# Altium PCB EIT_Teensy_PCBMain.PcbDoc (part 1 of 2) (continued)
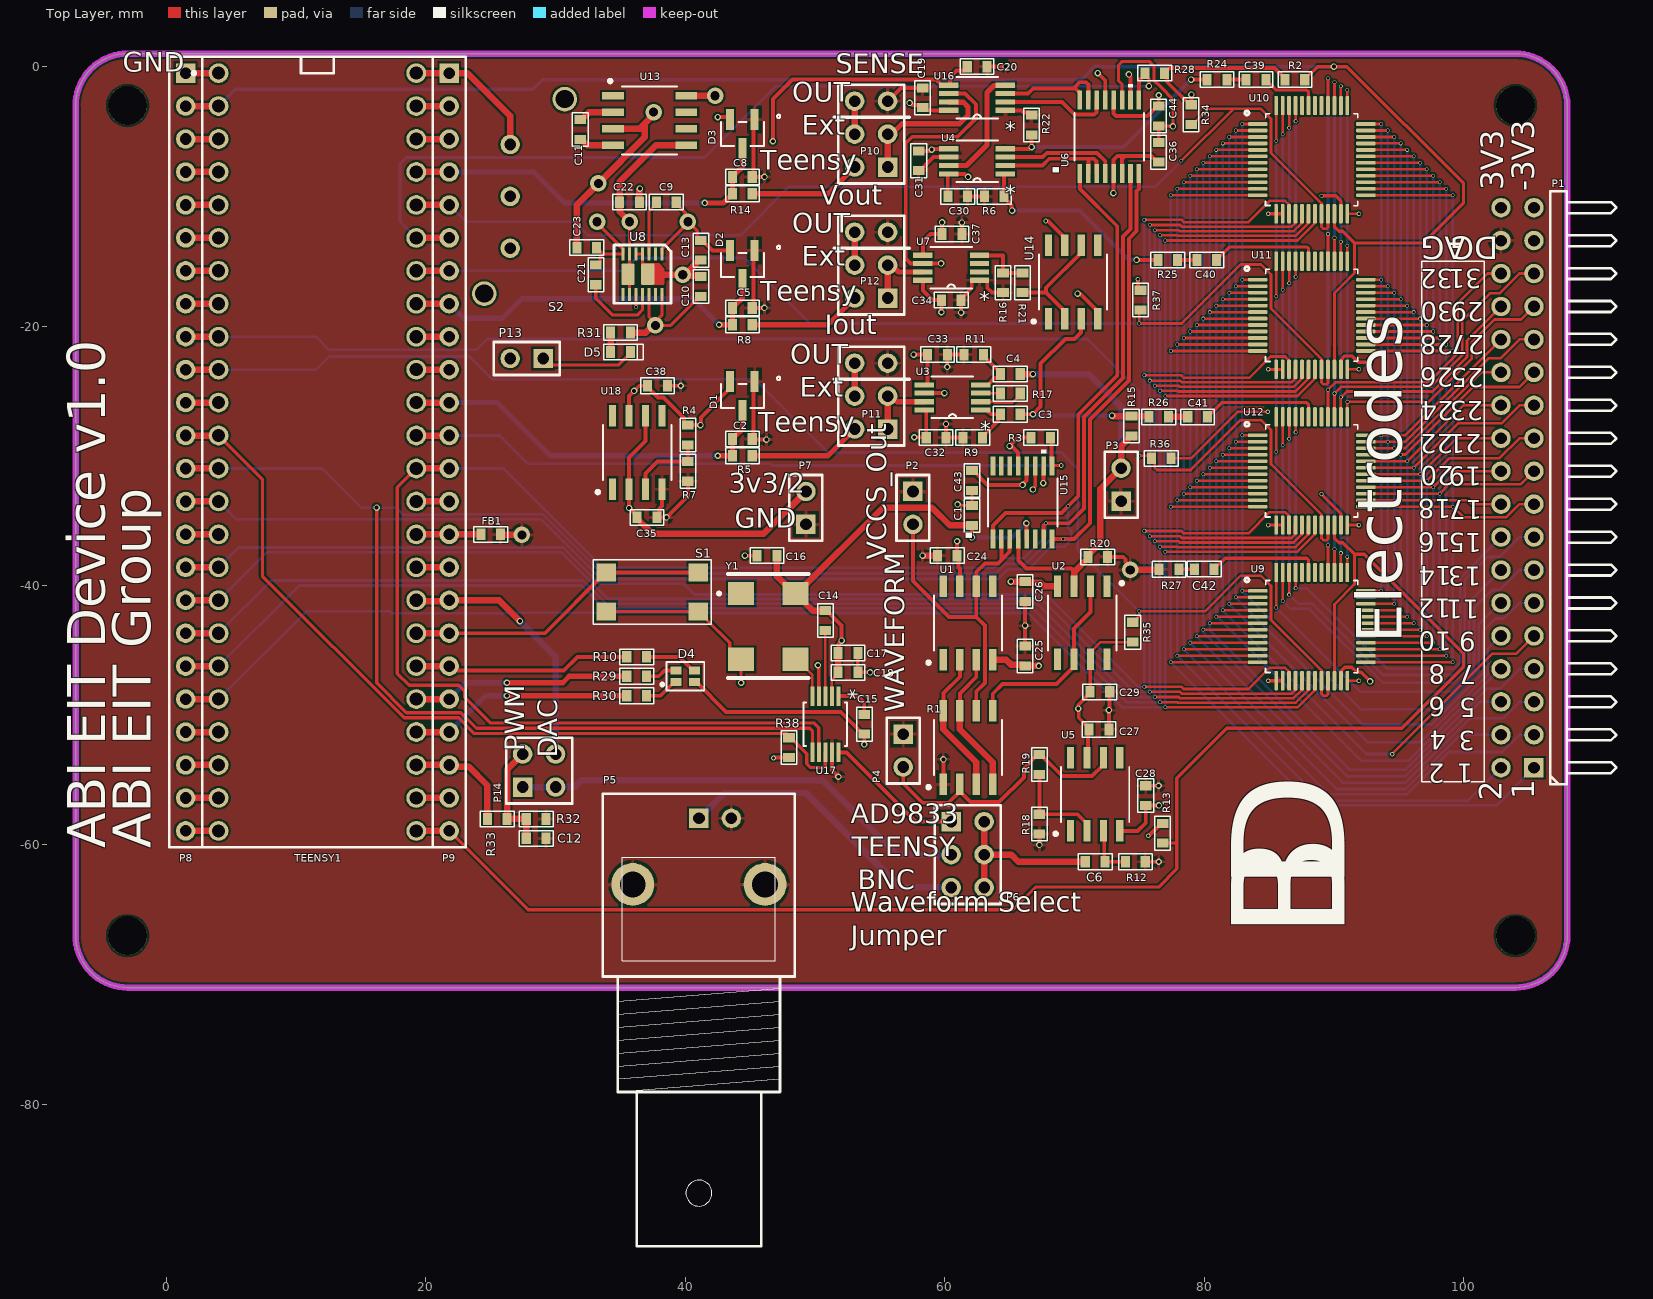
[diagram p0: Top Layer view]
## Part data (continued)
R10 R29 R30 R31: library part "Res 0603 1K 1%", "RES SMD 1K OHM 1% 1/10W 0603", Case Code (Imperial)=0603, Case Code (Metric)=1608, Manufacturer=Yageo, Manufacturer Part Number=RC0603FR-071KL, Max Operating Temperature=155°C, Max Power Dissipation=100mW, Min Operating Temperature=-55°C, Resistance=1kR, Resistance Tolerance=1%, Resistor Type="Thick Film", Supplier Part Number 1=311-1.00KHRCT-ND, Temperature Coefficient=100ppm/°C, Voltage Rating=50V, Case/Package=0603, Category="Chip SMD Resistors", ComponentLink1Description=https://datasheet.ciiva.com/8896/pyu-rc0603-51-rohs-l-4-8896106.pdf?src-supplier=Avnet, ComponentLink1URL=https://datasheet.ciiva.com/8896/pyu-rc0603-51-rohs-l-4-8896106.pdf?src-supplier=Avnet, Construction=Rectangular, Contact Plating=Tin,Matte, Depth=0.8mm, Features="Moisture Resistant", Height=0.45mm, Lead Free="Lead Free", Length=1.6mm, Military Standard=Not, Number of Terminations=2, Packaging="Tape and Reel", Power Rating=100mW, Pricing 1="1=0.10000, 10=0.02400, 100=0.00970, 1000=0.00436, 2500=0.00378 (USD)", Radiation Hardening=No, REACH SVHC="No SVHC", RoHS=Yes, RoHS Compliant=Yes, Series=RC, Size Code=0603, Stock 1=23578085, Supplier 1=Digi-Key, Technology="THICK FILM", Termination=SMD/SMT, Tolerance=1%
R12: library part "Res 0603 9.09K 1%", "Res Thick Film 0603 90.9K Ohm 1% 0.1W(1/10W) ±100ppm/C Epoxy SMD T/R", Case Code (Imperial)=0603, Case Code (Metric)=1608, Manufacturer=Yageo, Manufacturer Part Number=RC0603FR-0790K9L, Max Operating Temperature=155°C, Max Power Dissipation=100mW, Min Operating Temperature=-55°C, Resistance=90.9kR, Resistor Type="Thick Film", Supplier Part Number 1=311-90.9KHRCT-ND, Temperature Coefficient=100ppm/°C, Tolerance=1%, Voltage Rating=75V, Voltage Rating (DC)=50V, Case/Package=0603, Category="Chip SMD Resistors", ComponentLink1Description=https://datasheet.ciiva.com/15189/getdatasheetpartid-325203-15189835.pdf?src-supplier=Verical, ComponentLink1URL=https://datasheet.ciiva.com/15189/getdatasheetpartid-325203-15189835.pdf?src-supplier=Verical, Construction=Rectangular, Depth=0.8mm, Features="Moisture Resistant", Height=0.45mm, Lead Free="Lead Free", Length=1.6mm, Military Standard=Not, Number of Terminations=2, Packaging="Tape and Reel", Power Rating=100mW, Pricing 1="1=0.10000, 10=0.02400, 100=0.00970, 1000=0.00436, 2500=0.00378 (USD)", RoHS=Yes, RoHS Compliant=Yes, Series=RC, Size Code=0603, Stock 1=655755, Supplier 1=Digi-Key, Termination=SMD/SMT, Weight=7.1E-05oz, Width=0.8mm
R15: library part "Res 0603 1K 0.01%", "RES 1K OHM 0.01% 1/10W 0603", Case Code (Imperial)=0603, Case Code (Metric)=1608, Manufacturer="Stackpole Electronics", Manufacturer Part Number=RNCF0603TKY1K00, Max Operating Temperature=155°C, Max Power Dissipation=100mW, Min Operating Temperature=-55°C, Resistance=1kR, Resistor Type="Thin Film", Supplier Part Number 1=RNCF0603TKY1K00CT-ND, Temperature Coefficient=5ppm/°C, Tolerance=0.01%, Case/Package=0603, Category="Chip SMD Resistors", ComponentLink1Description=https://www.seielect.com/catalog/SEI-Packaging.pdf?src-supplier=Digi-Key, ComponentLink1URL=https://www.seielect.com/catalog/SEI-Packaging.pdf?src-supplier=Digi-Key, Features="Moisture Resistant", Height=0.022inch, Lead Free="Lead Free", Length=0.063inch, Mount="Surface Mount", Number of Terminations=2, Packaging="Tape and Reel", Pricing 1="1=1.86000, 10=1.65000, 100=1.26000 (USD)", RoHS=Yes, RoHS Compliant=Yes, Series=RNCF, Stock 1=31380, Supplier 1=Digi-Key, Width=0.031inch
R17: library part "Res 0603 5.49K 1%", "Resistor;Resistance:5K49ohm;Resistance Tolerance:± 1%;Resistor Element Material:Thick Film;Resistor Case Style:0603", Case Code (Imperial)=0603, Case Code (Metric)=1608, Manufacturer=Yageo, Manufacturer Part Number=RC0603FR-075K49L, Max Operating Temperature=155°C, Max Power Dissipation=100mW, Min Operating Temperature=-55°C, Package Quantity=1, Resistance=5.49kR, Resistor Type="Thick Film", Supplier Part Number 1=311-5.49KHRCT-ND, Temperature Coefficient=100ppm/°C, Tolerance=1%, Voltage Rating=50V, Case/Package=0603, Category="Chip SMD Resistors", ComponentLink1Description=https://datasheet.ciiva.com/2454/pyu-r-int-thick-7-2454378.pdf?src-supplier=Digi-Key, ComponentLink1URL=https://datasheet.ciiva.com/2454/pyu-r-int-thick-7-2454378.pdf?src-supplier=Digi-Key, ComponentLink2Description=https://datasheet.ciiva.com/2454/pyu-r-int-thick-7-2454379.pdf?src-supplier=Digi-Key, ComponentLink2URL=https://datasheet.ciiva.com/2454/pyu-r-int-thick-7-2454379.pdf?src-supplier=Digi-Key, ComponentLink3Description=https://datasheet.ciiva.com/2454/pyu-r-int-thick-7-2454380.pdf?src-supplier=Digi-Key, ComponentLink3URL=https://datasheet.ciiva.com/2454/pyu-r-int-thick-7-2454380.pdf?src-supplier=Digi-Key, ComponentLink4Description=https://datasheet.ciiva.com/12558/rc0603-272842-12558872.pdf?src-supplier=Mouser, ComponentLink4URL=https://datasheet.ciiva.com/12558/rc0603-272842-12558872.pdf?src-supplier=Mouser, Construction=Rectangular, Depth=0.8mm, Features="Moisture Resistant", Height=0.022inch, Lead Free="Lead Free", Length=1.6mm, Military Standard=Not, Number of Terminations=2, Packaging="Tape and Reel", Power Rating=100mW, Pricing 1="1=0.10000, 10=0.02400, 100=0.00970, 1000=0.00436, 2500=0.00378 (USD)", RoHS=Yes, RoHS Compliant=Yes, Series=RC, Size Code=0603, Stock 1=713644, Supplier 1=Digi-Key, Termination=SMD/SMT, Voltage Rating (DC)=50V, Width=0.8mm
R19: library part "Res 0603 90.9K 1%", "Res Thick Film 0603 90.9K Ohm 1% 0.1W(1/10W) ±100ppm/C Epoxy SMD T/R", Case Code (Imperial)=0603, Case Code (Metric)=1608, Manufacturer=Yageo, Manufacturer Part Number=RC0603FR-0790K9L, Max Operating Temperature=155°C, Max Power Dissipation=100mW, Min Operating Temperature=-55°C, Resistance=90.9kR, Resistor Type="Thick Film", Supplier Part Number 1=311-90.9KHRCT-ND, Temperature Coefficient=100ppm/°C, Tolerance=1%, Voltage Rating=75V, Voltage Rating (DC)=50V, Case/Package=0603, Category="Chip SMD Resistors", ComponentLink1Description=https://datasheet.ciiva.com/15189/getdatasheetpartid-325203-15189835.pdf?src-supplier=Verical, ComponentLink1URL=https://datasheet.ciiva.com/15189/getdatasheetpartid-325203-15189835.pdf?src-supplier=Verical, Construction=Rectangular, Depth=0.8mm, Features="Moisture Resistant", Height=0.45mm, Lead Free="Lead Free", Length=1.6mm, Military Standard=Not, Number of Terminations=2, Packaging="Tape and Reel", Power Rating=100mW, Pricing 1="1=0.10000, 10=0.02400, 100=0.00970, 1000=0.00436, 2500=0.00378 (USD)", RoHS=Yes, RoHS Compliant=Yes, Series=RC, Size Code=0603, Stock 1=655755, Supplier 1=Digi-Key, Termination=SMD/SMT, Weight=7.1E-05oz, Width=0.8mm
R20: library part "Res 0603 1M 1%", "Yageo RC Series Thick Film Surface Mount Resistor 0603 Case 1M 1% 0.1W 100ppm/C", Case Code (Imperial)=0603, Case Code (Metric)=1608, Manufacturer=Yageo, Manufacturer Part Number=RC0603FR-071ML, Max Operating Temperature=155°C, Min Operating Temperature=-55°C, Package Quantity=5000, Power Rating=100mW, Resistance=1MR, Resistor Type="Thick Film", Supplier Part Number 1=311-1.00MHRCT-ND, Temperature Coefficient=100ppm/°C, Tolerance=1%, Voltage Rating=75V, Voltage Rating (DC)=50V, Application(s)="HIGH RELIABILITY", Case/Package=0603, Category="Chip SMD Resistors", ComponentLink1Description=https://datasheet.ciiva.com/11819/0900766b80f96399-11819295.pdf?src-supplier=RSComponents, ComponentLink1URL=https://datasheet.ciiva.com/11819/0900766b80f96399-11819295.pdf?src-supplier=RSComponents, ComponentLink2Description=https://datasheet.ciiva.com/12555/rc0603-272842-12555388.pdf?src-supplier=Mouser, ComponentLink2URL=https://datasheet.ciiva.com/12555/rc0603-272842-12555388.pdf?src-supplier=Mouser, Depth=0.8mm, Height=0.45mm, Lead Free="Lead Free", Length=1.6mm, Military Standard=Not, Number of Pins=2, Packaging="Cut Tape", Pricing 1="1=0.10000, 10=0.02400, 100=0.00970, 1000=0.00436, 2500=0.00378 (USD)", REACH SVHC="No SVHC", RoHS=Yes, RoHS Compliant=Yes, Series=RC, Stock 1=4599128, Supplier 1=Digi-Key, Technology="THICK FILM", Termination=SMD/SMT, Type="General Purpose", Weight=0.000847oz, Width=0.8mm
R24 R25 R26 R27: library part "Res 0603 4.7K 1%", "RES SMD 4.7K OHM 1% 1/10W 0603", Case Code (Imperial)=0603, Case Code (Metric)=1608, Manufacturer=Yageo, Manufacturer Part Number=RC0603FR-074K7L, Max Operating Temperature=155°C, Max Power Dissipation=100mW, Min Operating Temperature=-55°C, Resistance=4.7kR, Resistance Tolerance=1%, Resistor Type="Thick Film", Supplier Part Number 1=311-4.70KHRCT-ND, Temperature Coefficient=100ppm/°C, Voltage Rating=50V, Case/Package=0603, Category="Chip SMD Resistors", ComponentLink1Description=https://datasheet.ciiva.com/15189/getdatasheetpartid-422754-15189760.pdf?src-supplier=Verical, ComponentLink1URL=https://datasheet.ciiva.com/15189/getdatasheetpartid-422754-15189760.pdf?src-supplier=Verical, ComponentLink2Description=https://datasheet.ciiva.com/22747/443971-22747528.pdf?src-supplier=Element14, ComponentLink2URL=https://datasheet.ciiva.com/22747/443971-22747528.pdf?src-supplier=Element14, ComponentLink3Description=https://datasheet.ciiva.com/7746/1868787-7746365.pdf?src-supplier=Element14, ComponentLink3URL=https://datasheet.ciiva.com/7746/1868787-7746365.pdf?src-supplier=Element14, ComponentLink4Description=https://datasheet.ciiva.com/7746/1738695-7746366.pdf?src-supplier=Element14, ComponentLink4URL=https://datasheet.ciiva.com/7746/1738695-7746366.pdf?src-supplier=Element14, ComponentLink5Description=https://datasheet.ciiva.com/46440/1868787-46440909.pdf?src-supplier=Element14, ComponentLink5URL=https://datasheet.ciiva.com/46440/1868787-46440909.pdf?src-supplier=Element14, ComponentLink6Description=https://datasheet.ciiva.com/7660/38590-7660794.pdf?src-supplier=Element14, ComponentLink6URL=https://datasheet.ciiva.com/7660/38590-7660794.pdf?src-supplier=Element14, Construction=Rectangular, Depth=0.8mm, Features="Moisture Resistant", Height=0.45mm, Lead Free="Lead Free", Lead Pitch=0.3mm, Length=1.6mm, Military Standard=Not, Number of Pins=2, Number of Terminations=2, Packaging="Tape and Reel", Power Rating=100mW, Pricing 1="1=0.10000, 10=0.02400, 100=0.00970, 1000=0.00436, 2500=0.00378 (USD)", REACH SVHC="No SVHC", RoHS=Yes, RoHS Compliant=Yes, Series=RC, Size Code=0603, Stock 1=7608467, Supplier 1=Digi-Key, Termination=SMD/SMT, Tolerance=1%, Voltage Rating (DC)=50V, Width=0.8mm
S1: library part "Switch Tactile SMD MOM-NO 50mA", "Switch Tactile N.O. SPST Round Button Gull Wing 0.05A 12VDC 2.55N SMD T/R", Manufacturer=E-Switch, Manufacturer Part Number=TL3305BF260QG, Max Operating Temperature=70°C, Min Operating Temperature=-20°C, Operating Force=260gf, Supplier Part Number 1=EG5354CT-ND, Actuator Type=Standard, Category="Tactile Switches", ComponentLink1Description=http://www.farnell.com/datasheets/2554191.pdf?src-supplier=Farnell, ComponentLink1URL=http://www.farnell.com/datasheets/2554191.pdf?src-supplier=Farnell, ComponentLink2Description=https://www.e-switch.com/system/asset/product_line/data_sheet/213/TL3305.pdf?src-supplier=Digi-Key, ComponentLink2URL=https://www.e-switch.com/system/asset/product_line/data_sheet/213/TL3305.pdf?src-supplier=Digi-Key, ComponentLink3Description=http://spec_sheets.e-switch.com/specs/P010472.pdf?src-supplier=Digi-Key, ComponentLink3URL=http://spec_sheets.e-switch.com/specs/P010472.pdf?src-supplier=Digi-Key, ComponentLink4Description=http://www.farnell.com/datasheets/2554191.pdf?src-supplier=Newark, ComponentLink4URL=http://www.farnell.com/datasheets/2554191.pdf?src-supplier=Newark, Illumination Type=Non-Illuminated, Lead Free="Lead Free", Mechanical Life=200000Cycles, Mount="Surface Mount", Packaging="Tape and Reel", Pricing 1="1=0.20000, 10=0.19600, 25=0.18600, 100=0.16920, 250=0.15904, 500=0.14550 (USD)", RoHS=Yes, RoHS Compliant=Yes, Stock 1=96859, Supplier 1=Digi-Key, Switch Function=Off-Mom, Switch Travel=0.2mm, Termination="Gull Wing", Throw Configuration=SPST
S2: library part "Switch Slide SPDT T/H", "SWITCH SLIDE SPDT 300MA 125V", Contact Current Rating=300mA, Contact Resistance=30mR, Flammability Rating="UL94 HB", Manufacturer="TE Connectivity Alcoswitch", Manufacturer Part Number=1825255-1, Max Operating Temperature=85°C, Max Voltage Rating (AC)=125V, Min Operating Temperature=-20°C, Operating Force=600gf, Package Quantity=560, Supplier Part Number 1=450-1567-ND, Actuator Length=4.5mm, Actuator Material=Polyoxymethylene,Acetal, Actuator Type=Standard, Category="Slide Switches", ComponentLink1Description="Manufacturer Link", ComponentLink1URL=http://www.apem.com, ComponentLink2Description=https://datasheet.ciiva.com/16312/1825255-1-16312669.pdf?src-supplier=Future+Electronics, ComponentLink2URL=https://datasheet.ciiva.com/16312/1825255-1-16312669.pdf?src-supplier=Future+Electronics, ComponentLink3Description=https://datasheet.ciiva.com/26326/701730-da-01-en-schiebeschalter-mhs12204-26326741.pdf?src-supplier=Conrad, ComponentLink3URL=https://datasheet.ciiva.com/26326/701730-da-01-en-schiebeschalter-mhs12204-26326741.pdf?src-supplier=Conrad, ComponentLink4Description=https://datasheet.ciiva.com/30160/eng-cs-1308111-1-switches-core-program-catalog-03082-30160106.pdf?src-supplier=Onlinecomponents.com, ComponentLink4URL=https://datasheet.ciiva.com/30160/eng-cs-1308111-1-switches-core-program-catalog-03082-30160106.pdf?src-supplier=Onlinecomponents.com, ComponentLink5Description=https://datasheet.ciiva.com/1532/921681-1532372.pdf?src-supplier=Element14, ComponentLink5URL=https://datasheet.ciiva.com/1532/921681-1532372.pdf?src-supplier=Element14, Contact Material="Copper Alloy", Contact Plating=Silver, Contact Style=Shorting, Current Rating=300mA, Depth=6.7mm, Electrical Life=15000Cycles, ELV=Compliant, Lead Free="Lead Free", Length=0.5906inch, Max Current Rating=300mA, Mechanical Life=15000Cycles, Mount="Through Hole", Number of Positions=2, Orientation=Vertical, Packaging=Tray, PCB Mount Retention=With, Pricing 1="1=0.85000, 10=0.82000, 25=0.76640, 100=0.66540, 250=0.60552, 500=0.56136, 1000=0.52037, 2500=0.47306, 5000=0.44524 (USD)", Radiation Hardening=No, REACH SVHC=Unknown, RoHS=Yes, RoHS Compliant=Yes, Series=MHS, Stock 1=3432, Supplier 1=Digi-Key, Switch Function=On-On, Switch Travel=4mm, Tail Length=3.51mm, Termination="PC Pin", Throw Configuration=SPDT, Type=Switch, Voltage Rating (AC)=125V, Width=6.2mm
U1 U2 U5 U14 U18: library part "OpAmp OPA189DR", "36V ZERO DRIFT OP-AMP", Case/Package=SOIC, Input Bias Current=70pA, Input Offset Voltage (Vos)=0.4uV, Manufacturer="Texas Instruments", Manufacturer Part Number=OPA189IDR, Max Operating Temperature=125°C, Min Operating Temperature=-40°C, Operating Supply Current=1.3mA, Supplier Part Number 1=296-48941-1-ND, Category="Amplifiers - Op Amps, Buffer, Instrumentation", ComponentLink1Description=http://www.ti.com/lit/ds/symlink/opa189.pdf?src-supplier=Digi-Key, ComponentLink1URL=http://www.ti.com/lit/ds/symlink/opa189.pdf?src-supplier=Digi-Key, Gain Bandwidth Product=14MHz, Mount="Surface Mount", Number of Channels=1, Number of Circuits=1, Number of Pins=8, Packaging="Tape and Reel", Pricing 1="1=2.85000, 10=2.56500, 25=2.41960, 100=2.06140, 250=1.93556, 500=1.69362, 1000=1.52471 (USD)", RoHS=Yes, RoHS Compliant=Yes, Slew Rate=20V/µs, Stock 1=9768, Supplier 1=Digi-Key
U3 U4 U7 U16: "ANALOG DEVICES   AD8220BRMZ   Instrument Amplifier, 1, 125 V, 2 V/s, 800 kHz,  2.25V to  18V, MSOP", Case/Package=MSOP, Dual Supply Voltage=9V, Input Bias Current=10pA, Input Offset Voltage (Vos)=125uV, Manufacturer="Analog Devices", Manufacturer Part Number=AD8220BRMZ, Max Dual Supply Voltage=18V, Max Operating Temperature=85°C, Max Supply Voltage=36V, Min Dual Supply Voltage=2.25V, Min Operating Temperature=-40°C, Min Supply Voltage=4.5V, Operating Supply Current=750uA, Operating Supply Voltage=28V, Output Current per Channel=15mA, Package Quantity=50, Supplier Part Number 1=AD8220BRMZ-ND, Voltage Gain=60dB, -3db Bandwidth=1.5MHz, Amplifier Type="INSTRUMENTATION AMPLIFIER", Bandwidth=800kHz, Category="Amplifiers - Op Amps, Buffer, Instrumentation", Common Mode Rejection Ratio=100dB, ComponentLink1Description=https://datasheet.ciiva.com/15128/getdatasheetpartid-237631-15128545.pdf?src-supplier=Verical, ComponentLink1URL=https://datasheet.ciiva.com/15128/getdatasheetpartid-237631-15128545.pdf?src-supplier=Verical, ComponentLink2Description=https://datasheet.ciiva.com/26848/ad8220brmz-26848766.pdf?src-supplier=IIIC, ComponentLink2URL=https://datasheet.ciiva.com/26848/ad8220brmz-26848766.pdf?src-supplier=IIIC, ComponentLink3Description=https://datasheet.ciiva.com/1810/ad8220-1810510.pdf?src-supplier=Digi-Key, ComponentLink3URL=https://datasheet.ciiva.com/1810/ad8220-1810510.pdf?src-supplier=Digi-Key, ComponentLink4Description=https://datasheet.ciiva.com/2975/ad8220-2975654.pdf?src-supplier=Avnet, ComponentLink4URL=https://datasheet.ciiva.com/2975/ad8220-2975654.pdf?src-supplier=Avnet, ComponentLink5Description=https://datasheet.ciiva.com/1135/716986-1135108.pdf?src-supplier=Element14, ComponentLink5URL=https://datasheet.ciiva.com/1135/716986-1135108.pdf?src-supplier=Element14, ComponentLink6Description=https://datasheet.ciiva.com/17374/ad8220-17374085.pdf?src-supplier=Avnet+Europe, ComponentLink6URL=https://datasheet.ciiva.com/17374/ad8220-17374085.pdf?src-supplier=Avnet+Europe, Height=0.85mm, Lead Free="Contains Lead", Length=3mm, Number of Amplifiers=1, Number of Channels=1, Number of Circuits=1, Number of Elements=1, Number of Pins=8, Packaging=Rail/Tube, Pricing 1="1=10.39000, 10=9.38900, 25=8.95280, 100=7.77360, 250=7.42424, 500=6.76916, 1000=6.18000 (USD)", Radiation Hardening=No, REACH SVHC="No SVHC", RoHS=Yes, RoHS Compliant=Yes, Series=-, Slew Rate=2V/µs, Stock 1=568, Supplier 1=Digi-Key, Width=3mm
U6 U15: library part "Digipot 2circuit AD5262BRUZ200", "ANALOG DEVICES - AD5262BRUZ200 - IC, DIGITAL POT 8BIT 200K DUAL, SMD", Case/Package=TSSOP, Dual Supply Voltage=5V, Frequency=25MHz, Manufacturer="Analog Devices", Max Dual Supply Voltage=5.5V, Max Operating Temperature=85°C, Max Supply Current=1uA, Max Supply Voltage=16.5V, Min Dual Supply Voltage=4.5V, Min Operating Temperature=-40°C, Nominal Supply Current=25uA, Operating Supply Voltage=15V, Package Quantity=96, Resistance=200kR, Resistance Tolerance=30%, Supplier Part Number 1=AD5262BRUZ200-ND, Temperature Coefficient=35ppm/°C, -3db Bandwidth=310kHz, Category="Digital Potentiometers", ComponentLink1Description=https://datasheet.ciiva.com/1145/686036-1145616.pdf?src-supplier=Element14, ComponentLink1URL=https://datasheet.ciiva.com/1145/686036-1145616.pdf?src-supplier=Element14, ComponentLink2Description=https://datasheet.ciiva.com/26801/ad5262bruz200-26801860.pdf?src-supplier=IIIC, ComponentLink2URL=https://datasheet.ciiva.com/26801/ad5262bruz200-26801860.pdf?src-supplier=IIIC, ComponentLink3Description=https://datasheet.ciiva.com/3045/ad5260-5262-3045958.pdf?src-supplier=Avnet, ComponentLink3URL=https://datasheet.ciiva.com/3045/ad5260-5262-3045958.pdf?src-supplier=Avnet, ComponentLink4Description=https://datasheet.ciiva.com/1149/686036-1149789.pdf?src-supplier=Farnell, ComponentLink4URL=https://datasheet.ciiva.com/1149/686036-1149789.pdf?src-supplier=Farnell, ComponentLink5Description=https://datasheet.ciiva.com/1331/ad5260-5262-1331018.pdf?src-supplier=Digi-Key, ComponentLink5URL=https://datasheet.ciiva.com/1331/ad5260-5262-1331018.pdf?src-supplier=Digi-Key, ComponentLink6Description=https://datasheet.ciiva.com/16597/ad5260-5262-16597563.pdf?src-supplier=Avnet+Europe, ComponentLink6URL=https://datasheet.ciiva.com/16597/ad5260-5262-16597563.pdf?src-supplier=Avnet+Europe, ComponentLink7Description=https://datasheet.ciiva.com/15145/getdatasheetpartid-130514-15145718.pdf?src-supplier=Verical, ComponentLink7URL=https://datasheet.ciiva.com/15145/getdatasheetpartid-130514-15145718.pdf?src-supplier=Verical, ComponentLink8Description=https://datasheet.ciiva.com/19478/1778287-19478949.pdf?src-supplier=Jameco, ComponentLink8URL=https://datasheet.ciiva.com/19478/1778287-19478949.pdf?src-supplier=Jameco, Contact Plating=Tin,Matte, Height=1.05mm, Interface=SPI, Lead Free="Contains Lead", Length=5mm, Manufacturer Part Number=AD5262BRUZ200, Memory Type=Volatile, Min Supply Voltage=4.5V, Mount="Surface Mount", Number of Circuits=2, Number of Elements=2, Number of Pins=16, Number of Positions=256, Number of Taps=256, Operating Supply Current=25uA, Packaging=Rail/Tube, Pricing 1="1=5.81000, 10=5.22200, 25=4.93680, 100=4.27870, 250=4.05928, 500=3.64238, 1000=3.10500 (USD)", Radiation Hardening=No, REACH SVHC="No SVHC", RoHS=Yes, RoHS Compliant=Yes, Series=-, Stock 1=96, Supplier 1=Digi-Key, Supply Current=25uA, Taper=Linear, Tolerance=30%, Width=4.4mm
U8: library part "IC Reg LDO +/-3.3V 150mA", "IC REG LINEAR +-3.3V 14DFN", Case/Package=DFN, Dropout Voltage=270mV, Manufacturer="Analog Devices / Linear Technology", Manufacturer Part Number=LT3032EDE-3.3#PBF, Max Operating Temperature=125°C, Min Current Limit=170mA, Min Operating Temperature=-40°C, Output Current=150mA, Output Voltage=3.3V, Supplier Part Number 1=LT3032EDE-3.3#PBF-ND, Category="Voltage Regulators - Linear", ComponentLink1Description=http://farnell.com//datasheets/2281794.pdf?src-supplier=Farnell, ComponentLink1URL=http://farnell.com//datasheets/2281794.pdf?src-supplier=Farnell, ComponentLink2Description=http://www.linear.com/docs/44087?src-supplier=Digi-Key, ComponentLink2URL=http://www.linear.com/docs/44087?src-supplier=Digi-Key, Mount="Surface Mount", Number of Outputs=2, Number of Pins=14, Number of Regulators=2, Packaging=Rail/Tube, Pricing 1="1=5.87000, 10=5.27300, 25=4.98480, 100=4.32000, 250=4.09848, 500=3.67756, 1000=3.13500 (USD)", REACH SVHC="No SVHC", RoHS=Yes, RoHS Compliant=Yes, Stock 1=2734, Supplier 1=Digi-Key
U9 U10 U11 U12: library part "Mux ADG732BSUZ", "Analog Multiplexer Single 32:1 48-Pin TQFP T/R", Case/Package=TQFP, Dual Supply Voltage=2.5V, Manufacturer="Analog Devices", Manufacturer Part Number=ADG732BSUZ-REEL, Max Operating Temperature=85°C, Max Power Dissipation=100uW, Max Supply Voltage=5.5V, Min Operating Temperature=-40°C, Min Supply Voltage=1.8V, On-State Resistance=5.5R, Operating Supply Current=10uA, Operating Supply Voltage=5V, Package Quantity=2000, Supplier Part Number 1=ADG732BSUZ-REELCT-ND, -3db Bandwidth=18MHz, Bandwidth=18MHz, Category="Interface ICs", ComponentLink1Description=https://datasheet.ciiva.com/26824/adg732bsuz-reel-26824926.pdf?src-supplier=IIIC, ComponentLink1URL=https://datasheet.ciiva.com/26824/adg732bsuz-reel-26824926.pdf?src-supplier=IIIC, ComponentLink2Description=https://datasheet.ciiva.com/16637/adg726-732-16637530.pdf?src-supplier=Avnet+Europe, ComponentLink2URL=https://datasheet.ciiva.com/16637/adg726-732-16637530.pdf?src-supplier=Avnet+Europe, Interface=Parallel, Lead Free="Contains Lead", Logic Function=Multiplexer, Number of Channels=32, Number of Circuits=1, Number of Inputs=32, Number of Outputs=1, Number of Pins=48, Packaging="Tape and Reel", Pricing 1="1=12.59000, 10=11.37200, 25=10.84320, 100=9.41510, 250=8.99200, 500=8.19856, 1000=7.48500 (USD)", RoHS=Yes, RoHS Compliant=Yes, Series=-, Stock 1=3425, Supplier 1=Digi-Key, Supply Type=Single,Dual, Turn-Off Delay Time=16ns
U13: library part LMC7660IMX/NOPB, "Charge Pump -Vin -10V 8-Pin SOIC T/R", Case/Package="SOIC N", Manufacturer="TI National Semiconductor", Max Input Voltage=10V, Max Operating Temperature=85°C, Max Output Voltage=-1.5V, Min Input Voltage=1.5V, Min Operating Temperature=-40°C, Min Output Voltage=-10V, Operating Supply Current=200uA, Output Current=20uA, Output Power=600mW, Quiescent Current=120uA, Supplier Part Number 1=LMC7660IMX/NOPBCT-ND, Switching Frequency=10kHz, Category="Voltage Regulators - Switching", ComponentLink1Description=https://datasheet.ciiva.com/6598/lmc7660-6598421.pdf?src-supplier=Digi-Key, ComponentLink1URL=https://datasheet.ciiva.com/6598/lmc7660-6598421.pdf?src-supplier=Digi-Key, ComponentLink2Description=https://datasheet.ciiva.com/6598/lmc7660-6598422.pdf?src-supplier=Digi-Key, ComponentLink2URL=https://datasheet.ciiva.com/6598/lmc7660-6598422.pdf?src-supplier=Digi-Key, ComponentLink3Description=https://datasheet.ciiva.com/6598/lmc7660-6598423.pdf?src-supplier=Digi-Key, ComponentLink3URL=https://datasheet.ciiva.com/6598/lmc7660-6598423.pdf?src-supplier=Digi-Key, ComponentLink4Description=https://datasheet.ciiva.com/46433/1841924-46433674.pdf?src-supplier=Element14, ComponentLink4URL=https://datasheet.ciiva.com/46433/1841924-46433674.pdf?src-supplier=Element14, Contact Plating=Tin, Lead Free="Lead Free", Logic Function=Inverting, Manufacturer Part Number=LMC7660IMX/NOPB, Max Supply Voltage=10V, Min Supply Voltage=1.5V, Mount="Surface Mount", Number of Outputs=1, Number of Pins=8, Output Type=Adjustable, Output Voltage=-10V, Packaging="Tape and Reel", Pricing 1="1=0.87000, 10=0.78200, 25=0.74200, 100=0.56980, 250=0.50352, 500=0.47700, 1000=0.37100 (USD)", Radiation Hardening=No, REACH SVHC="No SVHC", RoHS=Yes, RoHS Compliant=Yes, Stock 1=20127, Supplier 1=Digi-Key, Weight=0.006596oz
U17: "Direct Digital Synthesizer 25MHz 1-DAC 10-Bit Serial 10-Pin MSOP T/R", Case/Package=MSOP, Frequency=25MHz, Manufacturer="Analog Devices", Manufacturer Part Number=AD9833BRMZ-REEL, Max Operating Temperature=105°C, Max Supply Current=5.5mA, Max Supply Voltage=5.5V, Min Operating Temperature=-40°C, Min Supply Voltage=2.3V, Nominal Output Voltage=650mV, Package Quantity=3000, Power Dissipation=27.5mW, Supplier Part Number 1=AD9833BRMZ-REELCT-ND, Category="Integrated Circuits (ICs)", ComponentLink1Description=https://datasheet.ciiva.com/26828/ad9833brmz-reel-26828130.pdf?src-supplier=IIIC, ComponentLink1URL=https://datasheet.ciiva.com/26828/ad9833brmz-reel-26828130.pdf?src-supplier=IIIC, ComponentLink2Description=https://datasheet.ciiva.com/3177/ad9833-3177366.pdf?src-supplier=Avnet, ComponentLink2URL=https://datasheet.ciiva.com/3177/ad9833-3177366.pdf?src-supplier=Avnet, ComponentLink3Description=https://datasheet.ciiva.com/25889/ad9833-25889575.pdf?src-supplier=Avnet+Europe, ComponentLink3URL=https://datasheet.ciiva.com/25889/ad9833-25889575.pdf?src-supplier=Avnet+Europe, Contact Plating=Tin,Matte, Lead Free="Contains Lead", Mount="Surface Mount", Nominal Supply Current=5.5mA, Number of Bits=10, Number of Converters=1, Number of D/A Converters=1, Number of Outputs=1, Number of Pins=10, Operating Supply Current=5.5mA, Output Type=Voltage, Packaging="Tape and Reel", Pricing 1="1=10.65000, 10=9.61700, 25=9.17000, 100=7.96230, 250=7.60444, 500=6.93346, 1000=6.33000 (USD)", Resolution=10b, RoHS=Yes, RoHS Compliant=Yes, Series=-, Signal to Noise Ratio (SNR)=60dB, Stock 1=963, Supplier 1=Digi-Key
Y1: library part "XTAL 16MHz 5V SMD", "CRYSTAL, 16MHZ, 18PF, 5 X 3.2MM; Product Range:ABM3B Series; Frequency Nom:16MHz; Frequency Stability + / -:50ppm; Frequency Tolerance + / -:20ppm; Crystal Case:SMD, 5mm x 3.2mm; Load Capacitance:18pF; Operating Temperature Min:-20 C;RoHS Compliant: Yes", Case/Package=CSMD, ESR (Equivalent Series Resistance)=50R, Frequency=16MHz, Frequency Stability=50ppm, Frequency Tolerance=20ppm, Load Capacitance=18pF, Manufacturer=Abracon, Manufacturer Part Number=ABM3B-16.000MHZ-B2-T, Max Operating Temperature=70°C, Min Operating Temperature=-20°C, Operating Frequency="16 MHz", Package Quantity=1000, Resistor Type=Ceramic, Supplier Part Number 1=535-9122-1-ND, Accuracy=20ppm, Category=Crystals, ComponentLink1Description=https://datasheet.ciiva.com/855/abm3b-855719.pdf?src-supplier=Digi-Key, ComponentLink1URL=https://datasheet.ciiva.com/855/abm3b-855719.pdf?src-supplier=Digi-Key, ComponentLink2Description=https://datasheet.ciiva.com/855/abm3b-855720.pdf?src-supplier=Digi-Key, ComponentLink2URL=https://datasheet.ciiva.com/855/abm3b-855720.pdf?src-supplier=Digi-Key, ComponentLink3Description=https://datasheet.ciiva.com/855/abm3b-855721.pdf?src-supplier=Digi-Key, ComponentLink3URL=https://datasheet.ciiva.com/855/abm3b-855721.pdf?src-supplier=Digi-Key, ComponentLink4Description=https://datasheet.ciiva.com/3175/abm3b-3175822.pdf?src-supplier=Avnet, ComponentLink4URL=https://datasheet.ciiva.com/3175/abm3b-3175822.pdf?src-supplier=Avnet, ComponentLink5Description=https://datasheet.ciiva.com/16410/abm3b-16410983.pdf?src-supplier=Future+Electronics, ComponentLink5URL=https://datasheet.ciiva.com/16410/abm3b-16410983.pdf?src-supplier=Future+Electronics, ComponentLink6Description=https://datasheet.ciiva.com/7998/1883675-7998599.pdf?src-supplier=Element14, ComponentLink6URL=https://datasheet.ciiva.com/7998/1883675-7998599.pdf?src-supplier=Element14, Depth=3.2mm, Height=0.043inch, Lead Free="Lead Free", Length=5mm, Mount="Surface Mount", Number of Pins=4, Packaging="Tape and Reel", Pricing 1="1=0.95000, 10=0.83900, 50=0.78440, 100=0.69310, 500=0.65664 (USD)", REACH SVHC="No SVHC", RoHS=Yes, Series=ABM3B, Stock 1=37377, Supplier 1=Digi-Key, Termination=SMD/SMT, Tolerance=20ppm, Width=3.2mm

## Free pads (board coordinates)
  round 3 hole 3 paste+0 mask+0: ""(-3,-67) ""(-3,-3) ""(104,-67) ""(104,-3)

## Via types
v1: diameter 0.28, hole 0.2, Top Layer to Bottom Layer, 106 vias
v2: diameter 0.5, hole 0.3, Top Layer to Bottom Layer, 76 vias
v3: diameter 0.28, hole 0.2, Top Layer to Bottom Layer, tented both sides, 52 vias
v4: diameter 0.35, hole 0.2, Top Layer to Bottom Layer, 14 vias
v5: diameter 1.27, hole 0.711, Top Layer to Bottom Layer, 10 vias
v6: diameter 0.35, hole 0.2, Top Layer to Bottom Layer, tented both sides, 1 vias

## Nets (pads, with @x,y where several pads share a name; then routed paths per layer and width w, separated by ;. In a path a pad name is that pad's centre, name@x,y a point inside that pad or via, vN(x,y) a via of type N, cw(c..) or ccw(c..) an arc to the next point about the centre after c; other vN are vias at no path point)
3V3: C9.2 C13.2 C15.2 C19.2 C24.2 C27.2 C29.2 C30.2 C32.2 C34.2 C38.2 D1.2 D2.2 D3.2 D4.4 P1.36 R2.2 R3.2 R4.2 R13.2 R28.1 R34.2 R35.2 R36.2 R37.2 R38.2 U1.7 U2.7 U3.8 U4.8 U5.7 U6.10 U6.13 U7.8 U8.1 U9.13 U9.14 U10.13 U10.14 U11.13 U11.14 U12.13 U12.14 U14.7 U15.10 U15.13 U16.8 U18.7 | length 169
  Top Layer w0.2: U2.7@71.24,-45.7 71.24,-45.148 72.026,-44.362 R35.2@74.5,-44.362 ; R36.2@77.462,-30.2 79.006,-30.2 82.606,-26.6 v4(84.9,-26.6)
  Top Layer w0.25: U8.1@38.2,-14.45 38.2,-14.075 40.2,-12.075 v5(40.2,-11.95) ; C9.2@39.3,-10.45 39.3,-10.55 40.005,-11.255 40.005,-11.755 v5(40.2,-11.95) ; C13.2@41.139,-13.388 40.914,-13.163 40.914,-12.664 v5(40.2,-11.95) ; v4(84.94,-47.34) U9.13@85.55,-47.34 U9.14@86.05,-47.34 ; v4(84.94,-35.34) U12.13@85.55,-35.34 U12.14@86.05,-35.34 ; v4(84.94,-23.34) U11.13@85.55,-23.34 U11.14@86.05,-23.34 ; v4(84.94,-11.34) U10.13@85.55,-11.34 U10.14@86.05,-11.34
  Top Layer w0.3: U18.7@35.665,-26.924 35.665,-25.385 v2(36.057,-24.993) 36.45,-24.6 C38.2@37.1,-24.6 37.1,-24.7 37.9,-25.5 38.32,-25.5 39.9,-27.08 39.9,-27.438 40.1,-27.638 R4.2@40.2,-27.638 v2(41.162,-27.638) 41.2,-27.6 41.2,-27.04 43.45,-24.79 D1.2@43.45,-24.282 ; D4.4@40.725,-47.45 40.85,-47.45 43.15,-49.75 51.988,-49.75 53.7,-51.462 C15.2@53.8,-51.462 v2(53.8,-52.25) ; C13.2@41.139,-13.388 C13.2@41.2,-13.388 41.3,-13.388 42.094,-14.182 D2.2@43.45,-14.182 D2.2@43.425,-14.157 ; v2(42.503,-3.892) 43.295,-3.892 43.45,-4.047 D3.2@43.45,-4.082 ; v4(46.8,-53.3) 46.814,-53.3 46.852,-53.262 R38.2@48,-53.262 ; v2(57.3,-2.8) 57.354,-2.8 57.516,-2.962 58.1,-2.962 C19.2@58.3,-3.162 58.5,-3.362 59.113,-3.362 59.116,-3.365 U16.8@60.316,-3.365 ; v2@57.623,-28.573 v2(57.65,-28.573) 58.549,-28.573 C32.2@58.576,-28.6 58.576,-26.531 58.51,-26.465 U3.8@58.416,-26.465 ; U7.8@58.316,-16.465 58.316,-17.266 59.05,-18 C34.2@59.738,-18 v2(59.738,-18.938) ; C30.2@60.238,-10 60.238,-8.331 60.304,-8.265 U4.8@60.316,-8.265 60.319,-8.269 61.515,-8.269 61.746,-8.5 v2(61.8,-8.5) ; v2(60.962,-36.588) C24.2@60.962,-37.7 61.067,-37.805 61.067,-38.6 61.165,-38.698 U1.7@61.165,-40.074 ; v2(65,-29.248) 65.648,-28.6 R3.2@66.638,-28.6 ; v2@65.2,-29.3 65.648,-29.748 65.648,-30.753 U15.13@65.675,-30.781 ; v2(67.6,-32.1) 67.612,-32.087 67.612,-30.793 U15.10@67.625,-30.781 ; v4(67.8,-11.9) 67.81,-11.91 67.953,-11.91 69.265,-13.222 U14.7@69.265,-13.774 ; U5.7@70.965,-53.274 71.051,-53.188 71.051,-51.187 C27.2@71.138,-51.1 71.138,-51 70.338,-50.2 70.338,-49.538 v2(70.3,-49.5) 70.3,-49.2 71.2,-48.3 C29.2@71.2,-48.2 71.22,-48.18 71.22,-45.72 U2.7@71.24,-45.7 ; v2(71.8,-0.5) 72.375,-1.075 U6.13@72.375,-2.581 ; v2(74.2,-0.6) 74.2,-0.654 74.325,-0.779 U6.10@74.325,-2.581 ; v4(74.9,-16.4) 74.9,-17.038 R37.2@75.1,-17.238 ; v4(75.7,-59.3) 75.71,-59.29 75.748,-59.29 76.7,-58.338 R13.2@76.8,-58.338 ; v2(79.025,-2.15) 79.025,-2.913 R34.2@79,-2.938 78.9,-2.938 77.162,-1.2 77.162,-0.7 R28.1@76.962,-0.5 76.962,-0.4 77.162,-0.2 77.262,-0.2 77.362,-0.1 85.438,-0.1 86.238,-0.9 R2.2@86.238,-1
  PWR Layer w0.254: v2(71.8,-0.5) 74.033,-0.5 74.133,-0.6 75.771,-0.6 75.871,-0.5 77.375,-0.5 80.675,-3.8 83.35,-3.8 84.94,-5.39 v4(84.94,-11.34) v4(84.94,-23.34) v4(84.94,-35.34) v4(84.94,-47.34)
3V3/2: C35.2 P7.2 U3.6 U7.6 U16.6 U18.2 U18.6 | length 84.5
  Top Layer w0.3: C35.2@36.288,-34.75 36.288,-34.65 v2(35.665,-34.027) U18.2@35.665,-32.576 35.665,-30.135 36.935,-28.865 U18.6@36.935,-26.924 ; U3.6@58.416,-25.17 v2(59.97,-25.17) ; v2(59.72,-15.17) U7.6@58.316,-15.17 57.37,-15.17 57,-14.8 57,-5.9 57.5,-5.4 61,-5.4 62.4,-4 62.4,-2.9 61.57,-2.07 U16.6@60.316,-2.07
  Top Layer w0.5: C35.2@36.288,-34.75 36.288,-34.85 37.438,-36 46.05,-36 P7.2@49.3,-32.75
  PWR Layer w0.3: v2(59.72,-15.17) 59.72,-16.58 55.8,-20.5 52.3,-20.5 49.3,-23.5 P7.2@49.3,-32.75 52.718,-32.75 56.8,-28.668 56.8,-28.34 v2(59.97,-25.17)
3V3_Teensy1: P8.15 | length 2.5
  Top Layer w0.5: P8.15@1.48,-36.06 4.02,-36.06
3V3_Teensy2: P9.3 TEENSY1.3.3V1 TEENSY1.3.3V2 | length 2.5
  Top Layer w0.5: TEENSY1.3.3V2@19.26,-5.58 P9.3@21.8,-5.58
5V: C1.2 C10.2 C14.1 C16.1 C17.2 C18.2 C36.2 R31.1 S2.2 U6.5 U6.6 U8.10 U8.12 U8.14 U13.8 U15.5 U17.2 Y1.4 | length 167.7
  Top Layer w0.2: U17.2@51.3,-48.528 51.3,-47.276 51.776,-46.8 C18.2@51.776,-46.7
  Top Layer w0.25: v1(36.2,-18.55) U8.10@36.2,-17.55 ; U8.12@37.2,-17.55 37.2,-19.294 37.7,-19.794 v5(37.7,-19.95) 38.862,-19.95 41.1,-17.712 C10.2@41.2,-17.712 ; v5@37.7,-19.674 38.2,-19.174 U8.14@38.2,-17.55
  Top Layer w0.3: C14.1@50.8,-41.938 50.9,-41.938 52.05,-43.088 v2(52.05,-44.25) 51.8,-44.5 51.8,-45.176 C17.2@51.776,-45.2 ; v2(62.1,-36.3) C1.2@62.1,-35.362 ; v2(66.3,-35.2) 66.312,-35.213 66.312,-36.407 U15.5@66.325,-36.419 ; v2(73,-9.752) 73.012,-9.74 73.012,-8.232 U6.5@73.025,-8.219 73.025,-7.175 73.3,-6.9 73.9,-6.9 ; U6.6@73.675,-8.219 73.675,-7.125 73.9,-6.9 ; C36.2@76.5,-7.362 76.4,-7.362 75.938,-6.9 73.9,-6.9
  Top Layer w0.5: R31.1@35.762,-20.5 36.942,-20.5 37.492,-19.95 v5(37.7,-19.95) ; U13.8@40.08,-2.249 v5(42.299,-2.249) ; C16.1@47.062,-37.7 47.062,-39.282 48.4,-40.62 Y1.4@48.5,-40.62 Y1.4@48.6,-40.62 ; C14.1@50.8,-41.938 49.818,-41.938 49.25,-41.37 49.25,-41.27 Y1.4@48.6,-40.62 ; C18.2@51.776,-46.7 C17.2@51.776,-45.2 ; C1.2@62.1,-35.362 60.381,-35.362 59.019,-34 55.22,-34 Y1.4@48.6,-40.62
  PWR Layer w0.5: v2(52.05,-44.25) 44.05,-44.25 34.3,-34.5 34.3,-23.35 v5(37.7,-19.95) 29.85,-12.1 28.6,-12.1 S2.2@26.5,-10 33.5,-3 35.475,-3 36.226,-2.249 v5(42.299,-2.249) 44.298,-0.25 63.498,-0.25 v2(73,-9.752)
  Bottom Layer w0.3: v2(62.1,-36.3) 65.2,-36.3 v2(66.3,-35.2)
5V_Teensy: P9.1 P13.2 S2.3 TEENSY1.VIN | length 28.6
  Top Layer w0.5: TEENSY1.VIN@19.26,-0.5 P9.1@21.8,-0.5 23.2,-0.5 26.5,-3.8 S2.3@26.5,-6
  PWR Layer w0.5: P13.2@26.5,-22.5 26.5,-16.6 24.9,-15 24.9,-7.6 S2.3@26.5,-6
-3V3: C20.2 C21.2 C23.1 C25.2 C26.2 C28.1 C31.2 C33.2 C37.2 P1.35 U1.4 U2.4 U3.5 U4.5 U5.4 U7.5 U8.7 U9.24 U10.24 U11.24 U12.24 U14.4 U16.5 | length 268.7
  Top Layer w0.2: U9.24@91.05,-47.34 v4(91.94,-47.34) ; U12.24@91.05,-35.34 v4(91.94,-35.34) ; U11.24@91.05,-23.34 v4(91.94,-23.34) ; U10.24@91.05,-11.34 v4(91.94,-11.34)
  Top Layer w0.25: C21.2@33.1,-15.288 33.2,-15.288 33.425,-15.063 33.425,-14.687 33.662,-14.45 ; C23.1@33.162,-13.95 33.162,-14.05 33.387,-14.275 33.487,-14.275 33.662,-14.45 ; v5(33.2,-11.95) 33.2,-12.075 35.2,-14.075 U8.7@35.2,-14.45 33.662,-14.45
  Top Layer w0.3: v2(46.75,-5.75) 46.75,-2.5 48.264,-0.986 59.333,-0.986 59.782,-1.435 U16.5@60.316,-1.435 60.334,-1.435 60.4,-1.369 60.4,-0.8 60.9,-0.3 61.538,-0.3 61.738,-0.1 C20.2@61.738,0 ; v2(57.6,-22.2) C33.2@58.676,-22.2 58.676,-24.469 58.61,-24.535 U3.5@58.416,-24.535 ; C31.2@58,-6.488 58.858,-6.488 58.946,-6.4 v2(59,-6.4) ; U7.5@58.316,-14.535 58.316,-13.484 58.9,-12.9 C37.2@59.8,-12.9 v2(59.8,-12) ; v2@58.964,-6.488 59.116,-6.336 60.314,-6.336 U4.5@60.316,-6.335 ; v2(70.25,-17.5) 70.288,-17.538 70.47,-17.538 71.805,-18.873 U14.4@71.805,-19.426 ; U5.4@73.505,-58.926 74.874,-58.926 75.5,-58.3 C28.1@75.5,-56.962 v2(76.512,-56.962)
  Top Layer w0.5: U1.4@63.705,-45.726 64.734,-45.726 65.109,-46.1 66.1,-46.1 C25.2@66.2,-46.2 v2(67.25,-46.2) ; v2(65.1,-39.7) C26.2@66.2,-39.7 66.289,-39.789 67.4,-39.789 67.66,-40.048 U2.4@68.7,-40.048
  PWR Layer w0.5: v2(46.75,-5.75) 46,-6.5 ; v2(57.6,-22.2) 59.3,-20.5 63.3,-20.5 ; v2(59,-6.4) 58.9,-6.5 46,-6.5 ; v2(59.8,-12) 65.8,-18 ; v2(70.25,-17.5) 69.75,-18 65.8,-18 ; P1.35@105.43,-10.87 104.2,-12.1 92.7,-12.1 v4(91.94,-11.34) v4(91.94,-23.34) v4(91.94,-35.34) v4(91.94,-47.34) 82.318,-56.962 v2(76.512,-56.962) 67.25,-47.7 v2(67.25,-46.2) 65.1,-44.05 v2(65.1,-39.7) ; 46,-6.5 38.477,-6.5 33.2,-11.777 v5(33.2,-11.95) 44.3,-23.05 44.3,-34 50,-39.7 v2(65.1,-39.7) ; 63.3,-20.5 65.8,-18 ; 63.3,-20.5 63.3,-32 65.1,-33.8 v2(65.1,-39.7)
-5V: C22.1 C43.2 C44.2 U6.12 U8.6 U8.9 U8.16 U13.5 U15.12 | length 99.1
  Top Layer w0.25: U8.16@35.7,-16.05 U8.6@35.7,-14.45 v5(35.7,-11.95)
  Top Layer w0.3: C43.2@62.1,-31.138 62.2,-31.138 63.312,-32.25 v2(66,-32.25) 66,-32.196 66.298,-31.898 66.298,-30.808 U15.12@66.325,-30.781 ; U6.12@73.025,-2.581 73.025,-3.624 73.201,-3.8 75.638,-3.8 76.4,-3.038 C44.2@76.5,-3.038 v2(76.5,-2.2)
  Top Layer w0.5: v5(35.7,-11.95) 34.938,-11.188 C22.1@34.938,-10.45 34.938,-8.862 37.741,-6.059 U13.5@40.08,-6.059
  PWR Layer w0.5: v5(35.7,-11.95) 38.15,-9.5 67.75,-9.5 69.25,-11 72.592,-11 ; v2(66,-32.25) 66,-31 72.592,-24.408 72.592,-11 ; v2(76.5,-2.2) 76.5,-8.25 73.75,-11 72.592,-11
AGND: C2.2 C5.2 C8.2 C12.1 C19.1 C20.1 C24.1 C25.1 C26.1 C27.1 C28.2 C29.1 C30.1 C31.1 C32.1 C33.1 C34.1 C35.1 C37.1 C38.1 D1.1 D2.1 D3.1 FB1.1 P1.34 P2.1 P3.1 P4.1 P5.2 P7.1 P10.5 P11.5 P12.5 R1.1 R6.1 R7.1 R9.1 R11.2 R12.1 R16.2 R18.1 R20.2 R22.2 R27.1 R32.2 U4.6 U7.1 U16.1 U17.9 U18.4 | length 306
  Top Layer w0.3: U18.4@38.205,-32.576 38.205,-33.858 38.012,-34.051 38.012,-34.55 C35.1@37.812,-34.75 v2(38.55,-34.75) 40.2,-33.1 R7.1@40.2,-31.962 ; C38.1@38.624,-24.6 v2(39.65,-24.6) ; D1.1@45.35,-24.282 45.256,-24.376 45.256,-28.606 C2.2@45.162,-28.7 45.212,-28.75 v2(46.25,-28.75) ; D2.1@45.35,-14.182 45.256,-14.276 45.256,-18.506 C5.2@45.162,-18.6 v2(46.1,-18.6) ; D3.1@45.35,-4.082 45.256,-4.176 45.256,-8.406 C8.2@45.162,-8.5 v2(46.1,-8.5) ; U17.9@51.3,-52.872 51.3,-54.25 v2(51.8,-54.75) ; P10.5@55.6,-2.66 56.622,-1.638 C19.1@58.3,-1.638 ; C31.1@58,-8.012 58.1,-8.012 59.142,-6.97 U4.6@60.316,-6.97 ; R1.1@59.895,-55.326 v2(59.895,-53.405) ; v2(60.1,-27.55) C32.1@60.1,-28.6 R9.1@61.4,-28.6 ; v2(60.2,-23.15) C33.1@60.2,-22.2 R11.2@61.476,-22.2 ; v2(61.262,-18.962) C34.1@61.262,-18 61.262,-17.9 62.085,-17.077 62.085,-16.531 62.151,-16.465 U7.1@62.684,-16.465 63.218,-16.465 63.284,-16.531 63.284,-17.064 63.643,-17.424 R16.2@64.5,-17.424 ; C37.1@61.324,-12.9 v2(61.324,-12.024) ; C30.1@61.762,-10 R6.1@63.062,-10 ; C20.1@63.262,0 v2(64.7,0) ; U16.1@64.684,-3.365 65.884,-3.365 66.056,-3.538 66.5,-3.538 R22.2@66.7,-3.738 ; C25.1@66.2,-44.676 v2(66.2,-43.1) C26.1@66.2,-41.224 ; v2(67.3,-60) R18.1@67.3,-59.162 ; R20.2@72.562,-37.8 73.753,-37.8 73.929,-37.976 73.929,-38.167 v5@74.325,-38.563 ; C27.1@72.662,-51.1 v2(72.662,-49.612) 72.693,-49.581 72.693,-48.231 C29.1@72.724,-48.2 ; R12.1@75.462,-61.3 v2(76.5,-61.3) ; C28.2@75.5,-55.438 v2(76.488,-55.438)
  Top Layer w0.5: FB1.1@25.762,-36.06 25.782,-36.08 27.38,-36.08 v5(27.4,-36.1) ; v2(58.3,-37.7) C24.1@59.438,-37.7 ; v5@74.325,-38.775 76.513,-38.775 R27.1@76.538,-38.75
  GND Layer w0.5: v5(27.4,-36.1) 37.2,-36.1 v2(38.55,-34.75) 39.09,-35.29 P7.1@49.3,-35.29 ; P5.2@35.95,-63.05 P5.2@46.15,-63.05 46.35,-62.85 46.35,-60.65 46.25,-60.65 P5.2@43.55,-57.95 46.75,-54.75 v2(51.8,-54.75) 52.8,-55.75 57.55,-55.75 v2(59.895,-53.405) ; v2(39.65,-24.6) 40.1,-24.6 ; v2(46.1,-8.5) v2(46.1,-18.6) 40.1,-24.6 ; v2(46.25,-28.75) 46.1,-28.9 45.1,-28.9 ; P11.5@55.6,-22.86 59.91,-22.86 v2(60.2,-23.15) ; P12.5@55.6,-12.76 57.56,-10.8 ; P10.5@55.6,-2.66 57.56,-4.62 57.56,-10.8 ; P4.1@56.8,-51.46 59.895,-48.365 ; v2(58.3,-37.7) 60.1,-35.9 60.1,-30.2 ; P3.1@73.6,-33.5 74.1,-34 v5@74.1,-38.392 ; v5(74.3,-38.8) 74.25,-38.75 70.55,-38.75 v2(66.2,-43.1) 72.662,-49.562 v2(72.662,-49.612) 76.488,-53.438 v2(76.488,-55.438) 71.926,-60 ; v2(76.5,-61.3) 73.226,-61.3 71.926,-60 ; 40.1,-24.6 40.8,-24.6 45.1,-28.9 ; 45.1,-28.9 45.1,-31.09 P7.1@49.3,-35.29 ; P7.1@49.3,-35.29 51.84,-32.75 P2.1@57.55,-32.75 60.1,-30.2 ; P7.1@49.3,-35.29 59.895,-45.885 59.895,-48.365 ; 57.56,-10.8 60.1,-10.8 v2(61.324,-12.024) 61.324,-18.9 v2(61.262,-18.962) 61.262,-22.088 v2(60.2,-23.15) ; v2(59.895,-53.405) 59.895,-48.365 ; v2(59.895,-53.405) 60.705,-53.405 v2(67.3,-60) 71.926,-60 ; 60.1,-30.2 v2(60.1,-27.55) 60.8,-26.85 60.8,-23.75 v2(60.2,-23.15)
AGND_Teensy: P9.2 TEENSY1.AGND | length 2.5
  Top Layer w0.5: TEENSY1.AGND@19.26,-3.04 P9.2@21.8,-3.04
DDS_2.5V: C14.2 U17.3 | length 5.1
  Top Layer w0.2: U17.3@50.8,-48.528 C14.2@50.8,-43.462
DDS_NCS: P8.12 R38.1 TEENSY1.10 U17.8 | length 65.8
  Top Layer w0.254: TEENSY1.10@4.02,-28.44 7.4,-31.82 7.4,-39.275 18.333,-50.208 22.522,-50.208 23.733,-51.419 47.819,-51.419 49.355,-52.955 49.355,-53.744 49.652,-54.041 50.651,-54.041 50.8,-53.892 U17.8@50.8,-52.872
  Top Layer w0.5: P8.12@1.48,-28.44 TEENSY1.10@4.02,-28.44
DDS_OUT: P6.1 U17.10 | length 10.9
  Top Layer w0.3: U17.10@51.8,-52.872 52.422,-52.872 57.76,-58.21 P6.1@60.5,-58.21
DDS_XTAL: U17.5 Y1.3 | length 3.4
  Top Layer w0.2: Y1.3@48.5,-45.7 48.6,-45.7 49.8,-46.9 U17.5@49.8,-48.528
DigipotInput_NCS: P9.6 R28.2 TEENSY1.21 U6.9 | length 72.3
  Top Layer w0.2: R28.2@75.438,-0.5 75.438,-0.6 75.75,-0.912 v2(75.75,-1.5)
  Top Layer w0.3: U6.9@74.975,-2.581 74.975,-1.063 R28.2@75.438,-0.6
  Top Layer w0.5: TEENSY1.21@19.26,-13.2 P9.6@21.8,-13.2
  Bottom Layer w0.2: TEENSY1.21@19.26,-13.2 18,-11.94 18,-7.5 18.498,-7.002 41.498,-7.002 47,-1.5 v2(75.75,-1.5)